# Allegro board PCIE_FIBER_BOARD-1116.brd (continued)
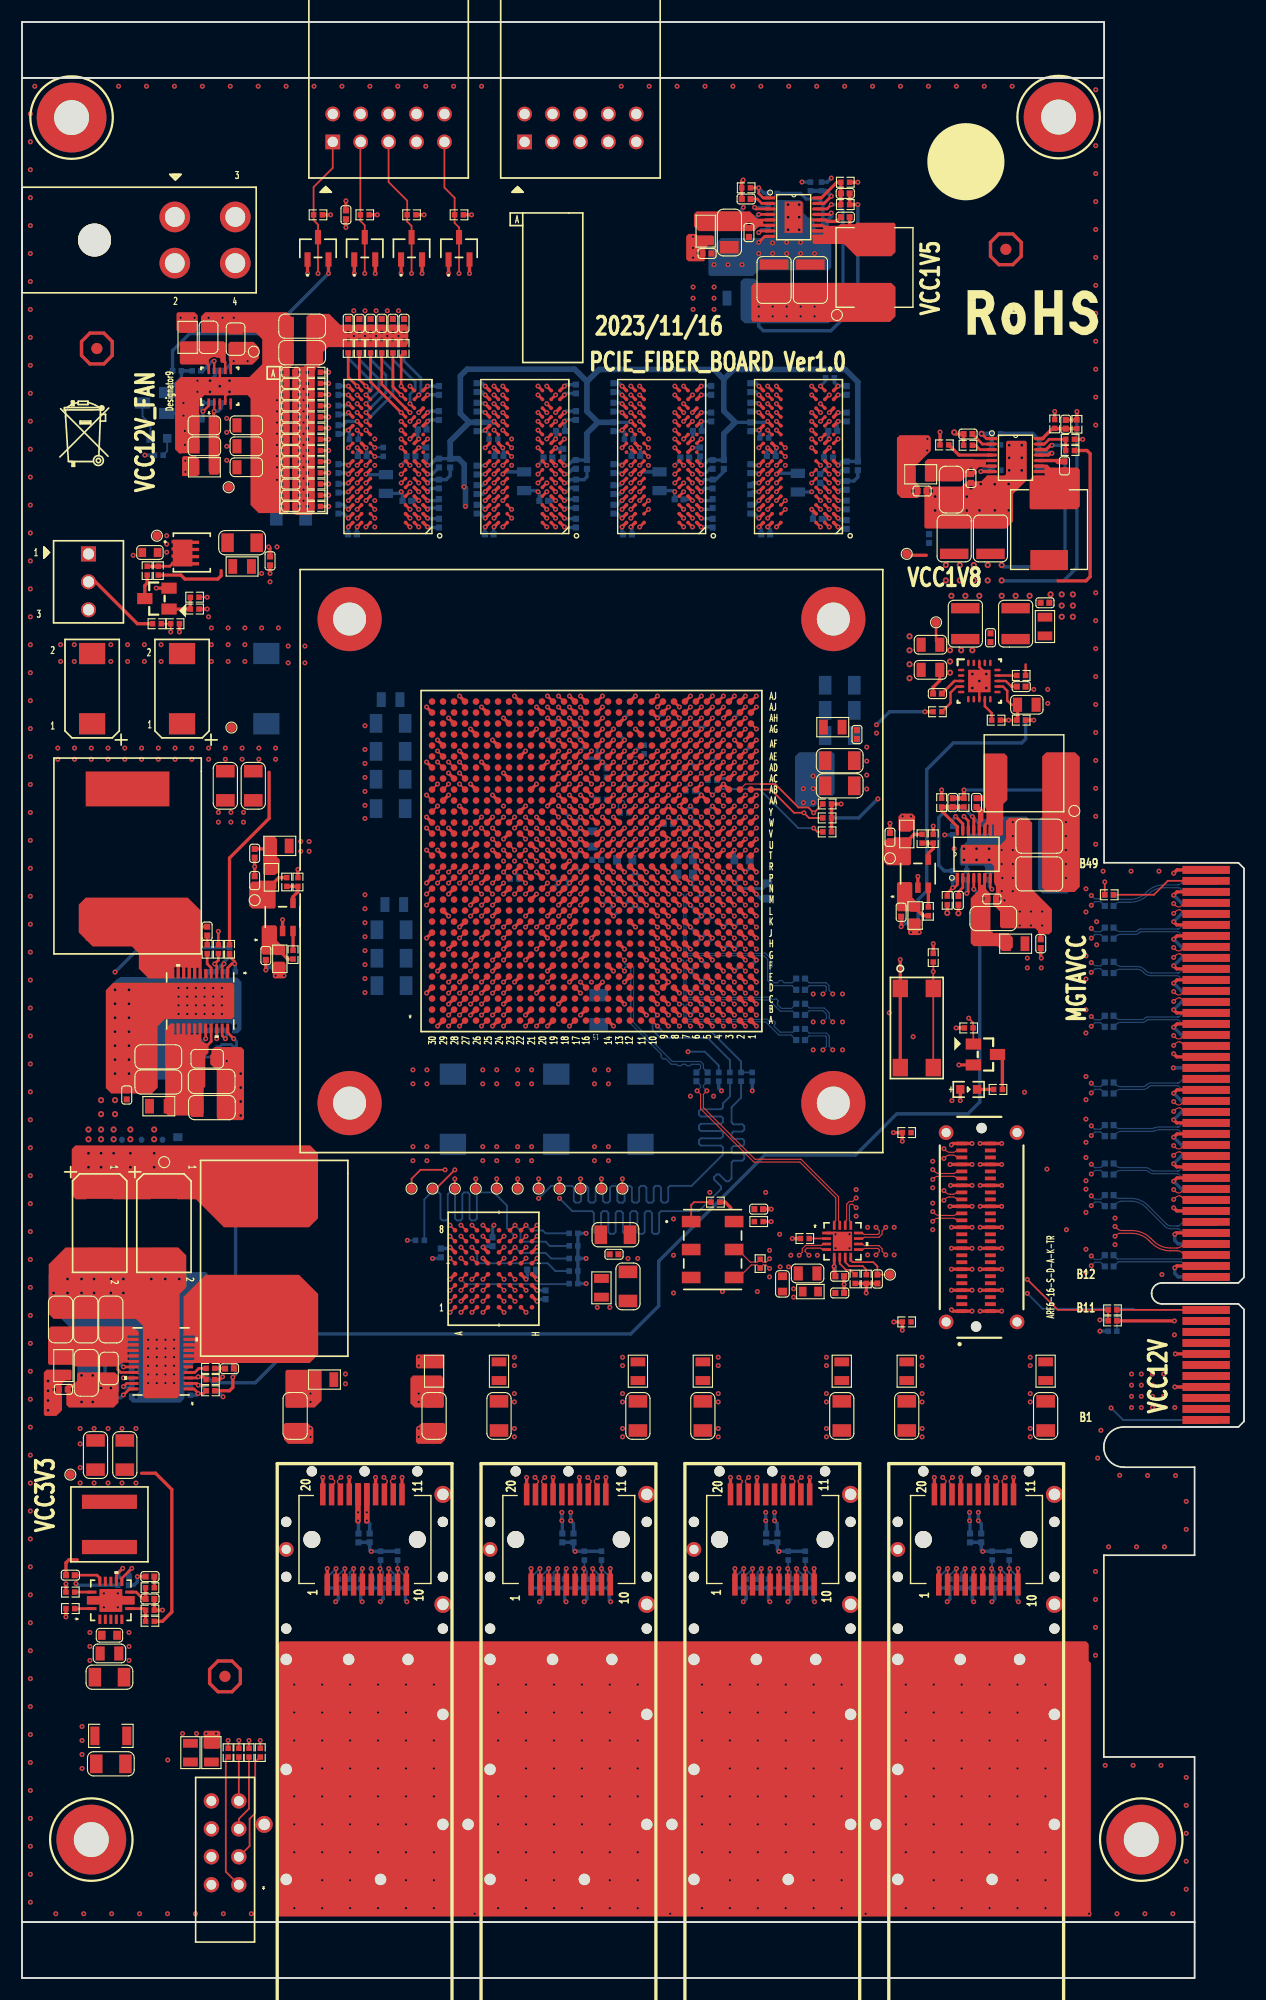
[diagram p0: board, top side]
## Routing (per net, layer and track width the routed paths; a pad name or vN(x,y) marks a point on that pad's centre or on a via; arc(x,y) is an arc through that point) (continued)
  ART08 w0.305: v1(96.77,66.24) v1(95,68.02) 93.23,69.79 v1(93.23,73.53) 93.23,78.48 v1(91.19,80.52) 88.71,83 v1(85.22,83) 83.62,83 v1(81.06,85.56) v1(78.88,87.73) 70.57,96.04 67.29,96.04 v1(66.8,96.53)
  BOTTOM w0.254: C509.2 52.32,112.02 52.32,111.06 C492.2
  BOTTOM w0.305: C566.2 71.81,135.08 v1(71.83,135.1) ; U249.A15 105.16,66.73 104.86,67.03 v1(104.86,67.6) ; v1(59.38,137.5) 59.88,138 C528.2 ; v1(61.78,144.7) 61.79,144.71 C531.2 ; C578.2 37.19,135.4 v1(36.89,135.1) ; C515.2 56.3,109.03 v1(56.8,108.53) 56.3,108.03 C461.2 ; v1(61.78,136.7) 62.07,136.7 62.55,137.18 C507.2 ; R1042.1 19.02,83.35 v1(18.62,83.35) ; v1(10.49,36.49) 10.49,36.01 10.19,35.71 C2499.2 ; C570.2 74.24,144.71 v1(74.23,144.7) 73.89,145.04 R8.2 ; v1(61.78,132.7) 61.84,132.65 C530.2 ; C153.2 53.33,97.06 v1(53.8,97.53) ; v1(48.8,102.53) 49.3,102.03 C499.2 ; C518.2 58.32,106.05 v1(58.8,106.53) ; v1(63.8,99.53) 64.3,100.03 C2278.2 ; C520.2 61.65,139.1 v1(60.98,139.1) ; C2277.2 66.33,92.07 v1(66.8,92.53) ; C612.2 42.11,136.67 v1(42.13,136.7) ; C580.2 37.8,134.3 v1(36.89,134.3) ; C500.2 48.38,99.11 v1(48.8,99.53) 48.8,99.56 C151.2 ; C2502.1 22.43,91.88 v1(22.18,91.62) ; v2(70.69,160.06) 71.2,159.55 C1189.2 ; R490.2 67.12,140.61 v1(67.03,140.7) 66.56,140.7 66.34,140.7 C563.2 ; v1(53.8,96.53) 54.3,97.03 C497.2 ; v1(63.8,95.53) 64.3,96.03 C2274.2 ; R164.2 61.42,107.91 v1(61.8,107.53) ; v1(104.75,76.42) 105.45,75.73 U249.A24 ; v1(104.75,98.42) 105.45,97.73 U249.A46 ; v1(29.69,132.7) 29.27,133.12 C582.2 ; C529.2 54.48,136.8 v1(54.58,136.7) ; v2(17.1,145.2) 17.59,145.69 C97.2 ; C616.2 46.83,135.21 v1(46.93,135.1) 47.05,134.98 C617.2 ; C2485.1 v1(74.78,63.05) ; C562.2 74.41,132.52 v1(74.23,132.7) ; v1(44.8,100.53) 45.21,100.12 R1214.2 ; C588.2 34.34,134.95 v1(34.49,135.1) 34.61,134.98 C579.2 ; v1(49.8,106.53) 50.3,106.03 C150.2 ; C608.2 49.46,141.62 v1(49.34,141.5) 49.38,141.46 C621.2 ; R219.2 15.07,141.64 v1(14.69,142.02) 14.49,142.22 Q10.2 ; v1(61.78,134.3) 62.7,134.3 C536.2 ; U249.A20 105.45,71.73 v1(104.75,72.42) ; C490.2 50.39,113.94 v1(50.8,113.53) ; v1(30.49,139.1) 30.54,139.04 C581.2 ; C575.2 29.14,140.35 29.49,140.7 v1(29.69,140.7) 29.78,140.61 R492.2 ; v1(67.03,131.9) 67.24,131.68 C558.2 ; v1(29.69,131.9) 29.65,131.86 C587.2 ; v1(65.8,100.53) 66.19,100.92 C2271.2 ; C152.2 50.32,102.05 v1(50.8,102.53) ; v1(42.13,131.9) 42.1,131.86 C606.2 ; R1046.1 18.6,90.74 ; C504.2 56.27,97.06 v1(55.8,97.53) 55.33,97.06 C501.2 ; C516.2 58.2,114.93 v1(57.8,114.53) ; C614.2 49.47,144.84 v1(49.34,144.7) ; C2275.2 61.34,96.07 v1(61.8,96.53) 62.27,97 C2264.2 ; C573.2 72.96,138.63 v1(73.43,139.1) ; C571.2 71.94,133.38 v1(71.83,133.5) ; v1(104.75,78.01) 105.47,78.73 U249.A27 ; C545.2 74.58,137.05 v1(74.23,136.7) ; C618.2 47.43,138 v1(46.93,137.5) ; C2455.2 C2453.2 31.62,38.92 v1(31.76,38.77) 31.78,38.79 R1177.2 R1178.2 ; v1(104.75,90.42) 105.45,89.73 U249.A38 ; v1(104.75,88.01) 105.47,88.73 U249.A37 ; v1(49.34,135.1) 49.54,135.1 49.89,135.45 50.33,135.45 C611.2 ; C2272.2 62.8,106.5 v1(62.8,106.53) ; v1(65.8,111.53) 66.3,112.03 C511.2 ; C595.2 37.32,136.7 v1(36.89,136.7) ; v1(59.8,102.53) 59.58,102.31 59.58,101.68 C2267.2 ; v1(55.8,111.53) 56.34,112.07 R161.2 ; R1188.2 R1187.2 50.33,38.79 v1(50.31,38.77) 50.16,38.92 C2457.2 C2459.2 ; C613.2 50.1,137.18 49.62,136.7 v1(49.34,136.7) ; v1(61.78,135.1) 62.08,135.4 C533.2 ; C250.2 59.28,135.21 v1(59.38,135.1) 59.37,135.09 C535.2 ; U249.A49 105.06,100.73 v1(104.75,100.42) ; C583.2 29.61,135.82 v1(29.69,135.9) ; C560.2 74.23,134.3 v1(74.23,134.3) ; v1(54.58,135.9) 54.37,135.69 C534.2 ; v1(54.58,144.7) 54.31,144.96 C532.2 ; C2442.2 47.04,61.7 v1(46.85,61.51) ; U249.A12 105.16,63.73 104.86,64.03 v1(104.86,64.55) ; C538.2 54.49,143.19 v1(54.58,143.1) ; v2(7.19,53.63) 7.19,53.23 R1092.1 ; C2259.2 62.27,95 v1(61.8,94.53) 61.33,94.06 C2273.2 ; U249.A31 v1(104.72,82.73) ; C2256.2 v1(89.74,114.34) ; C559.2 67.75,139.02 v1(67.83,139.1) ; C2258.2 59.62,99.7 v1(59.8,99.53) ; C591.2 37.91,144.7 v1(36.89,144.7) ; C584.2 29.52,142.93 v1(29.69,143.1) ; C569.2 66.94,143.19 v1(67.03,143.1) ; v1(13.83,54.08) 14.13,53.78 R1095.1 ; C1220.2 87.33,103.16 v2(86.82,102.65) ; v1(47.8,112.53) 48.3,113.03 C508.2 ; C568.2 66.93,136.8 v1(67.03,136.7) ; R1069.1 v2(69.68,158.92) ; v1(67.03,144.7) 66.76,144.96 C567.2 ; C147.2 63.37,97.96 v1(63.8,97.53) ; v1(61.8,104.53) 61.3,104.03 C2268.2 ; C517.2 63.3,111.03 v1(62.8,110.53) 62.29,110.02 C462.2 ; R494.2 42.48,140.35 v1(42.13,140.7) 42.04,140.61 C623.2 ; C2261.2 62.27,91 v1(61.8,90.53) 62.27,90.06 C2265.2 ; C506.2 54.49,140.61 v1(54.58,140.7) 54.8,140.48 R458.2 ; v1(104.75,92.01) 105.47,92.73 U249.A41 ; v1(54.8,103.53) 54.35,103.08 C422.2 ; C610.2 41.72,133.12 v1(42.13,132.7) ; C491.2 54.28,114.01 v1(54.8,114.53) 55.3,115.03 C513.2 ; v1(67.03,135.9) 66.45,135.9 C556.2 ; v1(63.8,93.53) 64.3,94.03 C146.2 ; C590.2 29.59,136.8 v1(29.69,136.7) ; C2444.2 42.8,68.3 v1(42.93,68.43) ; v1(104.75,80.42) 105.45,79.73 U249.A28 ; v1(42.94,139.1) 42.99,139.04 C620.2 ; v1(34.49,137.5) 34.99,138 C592.2 ; R1104.1 v2(87.96,101.64) ; U249.A34 105.45,85.73 v1(104.75,86.42) ; C542.2 54.58,131.32 v1(54.58,131.9) ; C148.2 60.3,104.03 v1(59.8,104.53) ; R1103.2 85.93,101.38 v2(85.68,101.64) ; C144.2 62.27,88.06 v1(61.8,88.53) ; C577.2 48.64,139 v1(48.54,139.1) ; C572.2 v1(74.23,141.5) 74.14,141.41 C565.2 ; v1(42.13,135.9) 41.93,135.69 C615.2 ; C510.2 65.3,115.03 v1(64.8,114.53) ; v1(104.75,70.01) 105.03,69.73 U249.A18 ; v1(67.03,132.7) 66.61,133.12 C564.2 ; v1(49.34,132.7) 49.39,132.65 C622.2 ; C609.2 41.59,143.19 41.61,143.17 42.07,143.17 v1(42.13,143.1) ; v1(48.8,104.53) 49.3,104.03 C503.2 ; C2441.2 46.76,63.6 v1(46.85,63.51) ; R1168.2 R1167.2 87.41,38.79 v1(87.39,38.77) 87.25,38.92 C2449.2 C2451.2 ; C594.2 36.94,132.65 v1(36.89,132.7) ; C514.2 51.42,110.87 52.18,110.87 C492.2 52.34,110.98 v1(52.8,110.53) 53.17,110.16 R159.2 ; C519.2 62.3,114.03 v1(61.8,113.53) 61.25,114.07 C463.2 ; v1(55.38,139.1) 55.43,139.04 C543.2 ; L3.1 55.52,102.25 v1(55.8,102.53) 56.3,103.03 C420.2 ; v1(61.8,92.53) 62.27,92.06 C2263.2 ; C561.2 74.4,135.27 v1(74.23,135.1) ; C541.2 54.16,133.12 v1(54.58,132.7) ; C607.2 49.46,134.42 v1(49.34,134.3) ; C619.2 41.87,144.96 v1(42.13,144.7) ; C2443.2 37.99,65.41 v1(37.34,65.41) ; C498.2 50.3,104.03 v1(50.8,104.53) ; C2270.2 67.22,98.11 v1(66.8,98.53) ; v1(73.43,135.1) 72.62,135.91 C557.2 ; C593.2 36.8,141.41 v1(36.89,141.5) 37.02,141.62 C589.2 ; C2505.1 80.33,95.92 v1(79.96,95.56) ; C496.2 56.27,99.06 v1(55.8,99.53) 55.33,99.06 C495.2 ; C586.2 29.68,144.71 v1(29.69,144.7) ; C502.2 49.33,106 v1(49.8,105.53) ; v2(69.68,161.2) 69.42,160.95 R1068.2 ; v1(36.09,139.1) 36.11,139.12 C585.2 ; R1237.2 v1(98.04,59.82) ; R1198.2 R1197.2 68.87,38.79 v1(68.85,38.77) 68.71,38.92 C2461.2 C2463.2 ; v1(104.75,94.42) 105.45,93.73 U249.A42 ; v1(54.8,98.53) 54.3,99.03 C419.2 ; C2269.2 60.33,106.06 v1(60.8,106.53) 61.3,106.03 C2276.2 ; C540.2 61.82,141.46 v1(61.78,141.5) C539.2 ; U249.A23 105.47,74.73 v1(104.75,74.01) ; C2266.2 62.27,99 v1(61.8,98.53) 61.33,98.06 C2279.2 ; v1(104.75,96.01) 105.47,96.73 U249.A45 ; C512.2 60.3,110.03 v1(59.8,109.53) ; R1048.2 16.83,90.74 ; C271.2 v1(14.69,143.17) ; U249.A4 v1(104.86,53.73)
  vias: v1(0.76,169.45) v1(0.76,166.91) v1(0.76,164.37) v1(0.76,161.83) v1(0.76,159.29) v1(0.76,156.75) v1(0.76,154.21) v1(0.76,151.67) v1(0.76,149.13) v1(0.76,146.59) v1(0.76,144.05) v1(0.76,141.51) v1(0.76,138.97) v1(0.76,136.43) v1(0.76,133.89) v1(0.76,131.35) v1(0.76,128.81) v1(0.76,126.27) v1(0.76,123.73) v1(0.76,121.19) v1(0.76,118.65) v1(0.76,116.11) v1(0.76,113.57) v1(0.76,111.03) v1(0.76,108.49) v1(0.76,105.95) v1(0.76,103.41) v1(0.76,100.87) v1(0.76,98.33) v1(0.76,95.79) v1(0.76,93.25) v1(0.76,90.71) v1(0.76,88.17) v1(0.76,85.63) v1(0.76,83.09) v1(0.76,80.55) v1(0.76,78.01) v1(0.76,75.47) v1(0.76,72.93) v1(0.76,70.39) v1(0.76,67.85) v1(0.76,65.31) v1(0.76,62.77) v1(0.76,60.23) v1(0.76,57.69) v1(0.76,55.15) v1(0.76,52.61) v1(0.76,50.07) v1(0.76,47.53) v1(0.76,44.99) v1(0.76,42.45) v1(0.76,39.91) v1(0.76,37.37) v1(0.76,34.83) v1(0.76,32.29) v1(0.76,29.75) v1(0.76,27.21) v1(0.76,24.67) v1(0.76,22.13) v1(0.76,19.59) v1(0.76,17.05) v1(0.76,14.51) v1(0.76,11.97) v1(0.76,9.43) v1(0.76,6.89) v1(1.16,171.96) v1(3.08,5.84) v1(3.51,121.2) v1(3.51,119.67) v1(4.75,121.2) v1(4.75,119.67) v1(5.29,49.95) v1(5.29,48.55) v1(5.46,22.86) v1(5.46,21.59) v1(5.46,20.32) v1(5.46,19.05) v1(5.62,5.84) v1(6.18,31.41) v1(6.18,30.14) v1(6.18,28.87) v1(6.56,49.95) v1(7.45,34.96) v1(7.45,33.69) v1(7.83,49.95) v1(8.08,121.2) v1(8.08,119.67) v1(8.16,5.84) v1(8.72,34.96) v1(8.72,33.69) v1(8.78,171.96) v1(9.1,49.95) v1(9.61,121.2) v1(9.61,119.67) v1(10.11,129.32) v1(10.37,49.95) v1(10.7,5.84) v1(11.13,121.2) v1(11.13,119.67) v1(11.32,171.96) v1(11.47,58.01) v1(11.47,57.22) v1(11.47,56.44) v1(11.47,55.65) v1(11.47,54.86) v1(11.47,54.07) v1(12.26,58.01) v1(12.26,57.22) v1(12.26,56.44) v1(12.26,55.65) v1(12.26,54.86) v1(12.26,54.07) v1(12.65,121.2) v1(12.65,119.67) v1(13.05,58.01) v1(13.05,57.23) v1(13.05,56.44) v1(13.05,55.65) v1(13.05,54.86) v1(13.05,54.08) v1(13.24,5.84) v1(13.26,19.82) v1(13.83,58.01) v1(13.83,57.23) v1(13.83,56.44) v1(13.83,55.65) v1(13.83,54.86) v1(13.86,171.96) v1(14.24,89.99) v1(14.24,89.21) v1(14.24,88.42) v1(14.24,87.63) v1(14.81,140.63) v1(14.81,139.36) v1(15.03,89.99) v1(15.03,89.21) v1(15.03,88.42) v1(15.03,87.63) v1(15.82,89.99) v1(15.82,89.21) v1(15.82,88.42) v1(15.82,87.63) v1(15.78,5.84) v1(15.96,145.2) v1(15.96,144.18) v1(16.4,171.96) v1(16.6,89.99) v1(16.6,89.21) v1(16.61,88.42) v1(16.61,87.63) v1(16.76,22.23) v1(16.97,150.91) v1(16.97,123.74) v1(17.23,122.72) v1(17.23,121.2) v1(17.23,119.67) v1(17.39,89.99) v1(17.39,89.21) v1(17.39,88.42) v1(17.39,87.63) v1(17.65,22.23) v1(17.86,105.96) v1(17.86,105.07) v1(18.24,150.91) v1(18.18,89.99) v1(18.18,89.21) v1(18.18,88.42) v1(18.18,87.63) v1(18.32,5.84) v1(18.75,122.72) v1(18.75,121.2) v1(18.75,119.67) v1(18.94,171.96) v1(19,105.96) v1(19,105.07) v1(19.26,150.91) v1(20.15,105.96) v1(20.15,105.07) v1(20.27,122.72) v1(20.27,121.2) v1(20.27,119.67) v1(20.86,5.84) v1(21.48,171.96) v1(21.8,122.72) v1(23.19,143.42) v1(23.19,142.41) v1(23.19,141.39) v1(23.19,140.37) v1(23.19,139.36) v1(23.19,138.34) v1(23.19,137.33) v1(23.19,136.18) v1(23.19,130.09) v1(23.32,122.72) v1(24.02,171.96) v1(24.21,121.07) v1(24.21,119.55) v1(24.77,26.67) v1(24.77,24.13) v1(24.77,21.59) v1(24.77,16.51) v1(24.77,13.97) v1(24.77,11.43) v1(24.77,6.35) v1(25.73,121.07) v1(25.73,119.55) v1(26.24,49.95) v1(26.24,49.19) v1(26.56,171.96) v1(27.3,26.67) v1(27.3,24.13) v1(27.3,21.59) v1(27.3,19.05) v1(27.3,16.51) v1(27.3,13.97) v1(27.3,11.43) v1(27.3,8.89) v1(27.3,6.35) v1(29.1,171.96) v1(29.84,26.67) v1(29.84,24.13) v1(29.84,21.59) v1(29.84,19.05) v1(29.84,16.51) v1(29.84,13.97) v1(29.84,11.43) v1(29.84,8.89) v1(29.84,6.35) v1(30.18,151.55) v1(31.2,151.55) v1(31.2,113.83) v1(31.2,111.67) v1(31.2,110.4) v1(31.2,109.13) v1(31.2,107.86) v1(31.2,106.59) v1(31.2,105.4) v1(31.2,95.92) v1(31.2,94.65) v1(31.2,93.38) v1(31.2,92.11) v1(31.2,90.84) v1(31.2,89.57) v1(31.64,171.96) v1(32.09,139.9) v1(32.09,137.5) v1(32.09,134.3) v1(32.09,131.9) v1(32.21,151.55) v1(32.38,26.67) v1(32.38,24.13) v1(32.38,21.59) v1(32.38,19.05) v1(32.38,16.51) v1(32.38,13.97) v1(32.38,11.43) v1(32.38,6.35) v1(33.23,151.55) v1(34.18,171.96) v1(34.24,151.55) v1(34.92,26.67) v1(34.92,24.13) v1(34.92,21.59) v1(34.92,19.05) v1(34.92,16.51) v1(34.92,13.97) v1(34.92,11.43) v1(34.92,8.89) v1(34.92,6.35) v1(35.56,75.56) v1(35.56,74.3) v1(36.08,49.95) v1(36.08,49.19) v1(36.72,171.96) v1(36.83,75.56) v1(36.83,74.3) v1(37.47,26.67) v1(37.47,21.59) v1(37.47,19.05) v1(37.47,16.51) v1(37.47,11.43) v1(37.47,8.89) v1(37.47,6.35) v1(39.26,171.96) v1(41.18,5.84) v1(41.8,171.96) v1(41.91,75.56) v1(41.91,74.3) v1(43.18,75.56) v1(43.18,74.3) v1(43.31,26.67) v1(43.31,24.13) v1(43.31,21.59) v1(43.31,16.51) v1(43.31,13.97) v1(43.31,11.43) v1(43.31,6.35) v1(43.8,106.53) v1(43.8,101.53) v1(44.53,139.9) v1(44.54,137.5) v1(44.8,101.53) v1(44.78,49.95) v1(44.78,49.19) v1(45.09,75.56) v1(45.09,74.3) v1(45.85,26.67) v1(45.85,24.13) v1(45.85,21.59) v1(45.85,19.05) v1(45.85,16.51) v1(45.85,13.97) v1(45.85,11.43) v1(45.85,8.89) v1(45.85,6.35) v1(46.35,75.56) v1(46.35,74.3) v1(48.39,26.67) v1(48.39,24.13) v1(48.39,21.59) v1(48.39,19.05) v1(48.39,16.51) v1(48.39,13.97) v1(48.39,11.43) v1(48.39,8.89) v1(48.39,6.35) v1(50.93,26.67) v1(50.93,24.13) v1(50.93,21.59) v1(50.93,19.05) v1(50.93,16.51) v1(50.93,13.97) v1(50.93,11.43) v1(50.93,6.35) v1(51.8,90.53) v1(52.07,75.56) v1(52.07,74.3) v1(53.34,75.56) v1(53.34,74.3) v1(53.47,26.67) v1(53.47,24.13) v1(53.47,21.59) v1(53.47,19.05) v1(53.47,16.51) v1(53.47,13.97) v1(53.47,11.43) v1(53.47,8.89) v1(53.47,6.35) v1(54.5,171.96) v1(54.63,49.95) v1(54.63,49.19) v1(55.12,65.41) v1(56.01,65.41) v1(56.01,26.67) v1(56.01,21.59) v1(56.01,19.05) v1(56.01,16.51) v1(56.01,11.43) v1(56.01,8.89) v1(56.01,6.35) v1(57.04,171.96) v1(56.98,139.9) v1(56.98,137.5) v1(58.96,5.84) v1(59.26,69) v1(59.26,65.7) v1(59.26,62.27) v1(59.58,171.96) v1(60.79,80.16) v1(61.85,26.67) v1(61.85,24.13) v1(61.85,21.59) v1(61.85,16.51) v1(61.85,13.97) v1(61.85,11.43) v1(61.85,6.35) v1(62.12,171.96) v1(62.56,71.41) v1(62.95,155.74) v1(62.9,80.16) v1(63.33,49.95) v1(63.33,49.19) v1(63.71,62.4) v1(64.22,155.74) v1(64.39,26.67) v1(64.39,24.13) v1(64.39,21.59) v1(64.39,19.05) v1(64.39,16.51) v1(64.39,13.97) v1(64.39,11.43) v1(64.39,8.89) v1(64.39,6.35) v1(64.66,171.96) v1(65.49,155.74) v1(66.88,62.4) v1(66.93,26.67) v1(66.93,24.13) v1(66.93,21.59) v1(66.93,19.05) v1(66.93,16.51) v1(66.93,13.97) v1(66.93,11.43) v1(66.93,8.89) v1(66.93,6.35) v1(67.01,156.76) v1(67.2,171.96) v1(67.64,71.41) v1(68,66.14) v1(68,63.73) v1(68.27,157.72) v1(68.28,156.76) v1(68.91,67.6) v1(68.96,64.64) v1(69.43,137.5) v1(69.55,157.77) v1(69.55,156.76) v1(69.47,26.67) v1(69.47,24.13) v1(69.47,21.59) v1(69.47,19.05) v1(69.47,16.51) v1(69.47,13.97) v1(69.47,11.43) v1(69.47,6.35) v1(69.74,171.96) v1(69.72,64.64) v1(69.93,65.7) v1(70.82,157.77) v1(70.82,156.76) v1(71.96,89.45) v1(71.96,86.91) v1(71.96,84.37) v1(72.01,26.67) v1(72.01,24.13) v1(72.01,21.59) v1(72.01,19.05) v1(72.01,16.51) v1(72.01,13.97) v1(72.01,11.43) v1(72.01,8.89) v1(72.01,6.35) v1(72.09,156.76) v1(72.28,171.96) v1(72.34,65.7) v1(73.17,49.95) v1(73.17,49.19) v1(73.99,66.33) v1(74.55,26.67) v1(74.55,21.59) v1(74.55,19.05) v1(74.55,16.51) v1(74.55,11.43) v1(74.55,8.89) v1(74.55,6.35) v1(74.63,89.45) v1(74.63,86.91) v1(74.63,84.37) v1(74.82,171.96) v1(75.26,67.6) v1(75.26,66.33) v1(75.87,71.67) v1(75.87,69.25) v1(76.74,5.84) v1(76.83,111.89) v1(76.83,110.62) v1(76.83,109.35) v1(76.83,108.08) v1(76.92,68.24) v1(76.92,65.73) v1(77.36,171.96) v1(79.33,68.24) v1(79.33,65.73) v1(79.9,171.96) v1(80.39,26.67) v1(80.39,24.13) v1(80.39,21.59) v1(80.39,16.51) v1(80.39,13.97) v1(80.39,11.43) v1(80.39,6.35) v1(81.87,49.95) v1(81.87,49.19) v1(82.44,171.96) v1(82.84,74.24) v1(82.84,71.83) v1(82.84,70.43) v1(82.84,68.02) v1(82.93,26.67) v1(82.93,24.13) v1(82.93,21.59) v1(82.93,19.05) v1(82.93,16.51) v1(82.93,13.97) v1(82.93,11.43) v1(82.93,8.89) v1(82.93,6.35) v1(84.79,102.65) v1(84.98,171.96) v1(85.47,26.67) v1(85.47,24.13) v1(85.47,21.59) v1(85.47,19.05) v1(85.47,16.51) v1(85.47,13.97) v1(85.47,11.43) v1(85.47,8.89) v1(85.47,6.35) v1(87.52,171.96) v1(88.01,26.67) v1(88.01,24.13) v1(88.01,21.59) v1(88.01,19.05) v1(88.01,16.51) v1(88.01,13.97) v1(88.01,11.43) v1(88.01,6.35) v1(89.11,102.53) v1(89.11,101.26) v1(89.11,98.79) v1(89.16,99.99) v1(89.36,97.96) v1(90.06,171.96) v1(90.12,105.07) v1(90.12,103.8) v1(90.12,102.53) v1(90.12,101.26) v1(90.12,99.99) v1(90.12,98.79) v1(90.55,26.67) v1(90.55,24.13) v1(90.55,21.59) v1(90.55,19.05) v1(90.55,16.51) v1(90.55,13.97) v1(90.55,11.43) v1(90.55,8.89) v1(90.55,6.35) v1(90.76,96.94) v1(90.76,95.67) v1(91.71,49.95) v1(91.71,49.19) v1(91.77,96.94) v1(91.77,95.67) v1(92.03,117.13) v1(92.79,96.94) v1(92.79,95.67) v1(93.09,26.67) v1(93.09,21.59) v1(93.09,19.05) v1(93.09,16.51) v1(93.09,11.43) v1(93.09,8.89) v1(93.09,6.35) v1(93.3,117.13) v1(93.3,115.86) v1(96.77,99.01) v1(96.77,96.9) v1(96.77,92.91) v1(96.77,90.8) v1(96.77,88.01) v1(96.77,85.9) v1(96.77,81.95) v1(96.77,79.84) v1(96.77,78.07) v1(96.77,75.96) v1(96.77,74.58) v1(96.77,72.47) v1(96.77,71.7) v1(96.77,69.6) v1(96.77,64.14) v1(97.06,5.84) v1(97.64,36.95) v1(97.64,34.41) v1(97.64,31.87) v1(97.64,29.33) v1(97.66,171.64) v1(97.66,166.56) v1(97.66,164.02) v1(97.66,161.48) v1(97.66,158.94) v1(97.66,156.4) v1(97.66,153.86) v1(97.66,151.32) v1(97.66,148.78) v1(97.66,146.24) v1(97.66,143.7) v1(97.66,141.16) v1(97.66,125.92) v1(97.66,123.38) v1(97.66,120.84) v1(97.66,118.3) v1(97.66,115.76) v1(97.66,113.22) v1(97.66,110.68) v1(97.66,108.14) v1(97.66,105.6) v1(97.66,103.06) v1(97.75,96.02) v1(97.75,93.91) v1(97.84,47.26) v1(98.13,49.78) v1(98.34,100.61) v1(98.52,19.33) v1(98.83,39.19) v1(99.42,69.08) v1(99.42,66.66) v1(99.6,5.84) v1(99.84,45.7) v1(100.88,100.61) v1(101.06,19.33) v1(101.37,39.19) v1(102.14,5.84) v1(102.38,45.67) v1(103.42,100.61) v1(103.6,19.33) v1(103.68,63.94) v1(103.91,39.19) v1(104.68,5.84) v1(104.92,45.67) v1(105.89,43.32) v1(105.89,40.78) v1(105.89,18.23) v1(105.89,15.69) v1(105.89,13.15) v1(105.89,10.61) v1(105.89,8.07) v2(2.87,62.27) v2(4.14,63.54) v2(4.14,62.27) v2(5.41,63.54) v2(5.41,62.27) v2(5.41,54.78) v2(5.41,52.36) v2(6.05,77.13) v2(6.05,76.24) v2(6.43,54.78) v2(6.43,52.36) v2(6.56,63.54) v2(6.56,62.27) v2(7.19,77.13) v2(7.19,76.24) v2(8.08,63.54) v2(8.08,62.27) v2(8.08,53.63) v2(8.34,77.13) v2(8.34,76.24) v2(8.46,89.83) v2(8.46,88.56) v2(8.46,87.29) v2(8.46,86.02) v2(8.46,84.75) v2(8.46,83.48) v2(8.46,82.21) v2(9.22,63.54) v2(9.22,62.27) v2(9.73,89.83) v2(9.73,88.56) v2(9.73,87.29) v2(9.73,86.02) v2(9.73,84.75) v2(9.73,83.48) v2(9.73,82.21) v2(9.86,77.13) v2(9.86,76.24) v2(11.76,63.54) v2(12.02,77.13) v2(12.02,76.24) v2(13.03,63.54) v2(14.3,63.54) v2(17.1,144.18) v2(18.88,145.2) v2(19.89,82.21) v2(19.89,80.94) v2(19.89,79.67) v2(19.89,78.4) v2(69.68,160.06) v2(70.69,161.2) v2(70.69,158.92) v2(80.73,121.96) v2(80.73,120.69) v2(80.73,119.42) v2(80.73,118.15) v2(83.05,134.67) v2(83.05,133.4) v2(84.54,125.64) v2(85.68,102.65) v2(85.81,125.64) v2(85.93,134.66) v2(85.93,133.39) v2(86.44,118.53) v2(86.44,117.26) v2(86.82,101.64) v2(87.09,133.4) v2(87.08,125.64) v2(87.2,135.8) v2(87.71,117.26) v2(87.96,102.65) v2(88.47,135.78) v2(88.49,133.4) v2(89.11,125.64) v2(89.74,135.8) v2(89.79,139.33) v2(89.79,138.18) v2(89.79,137.04) v2(89.76,133.4) v2(90.38,125.64) v2(90.93,139.33) v2(90.93,138.18) v2(90.93,137.04) v2(91.65,125.64)
